# Altium PCB CC-B00-V00.PcbDoc (part 1 of 3)
Units mil, origin at the board's own origin, x right, y up, seen from the top; angles counter-clockwise.
Board outline 4330.71 x 2618.11 mil, 2 copper layers (Top Layer, Bottom Layer), stack 61.8 mil thick; 271 components, 197 nets, 827 pads, 294 vias.
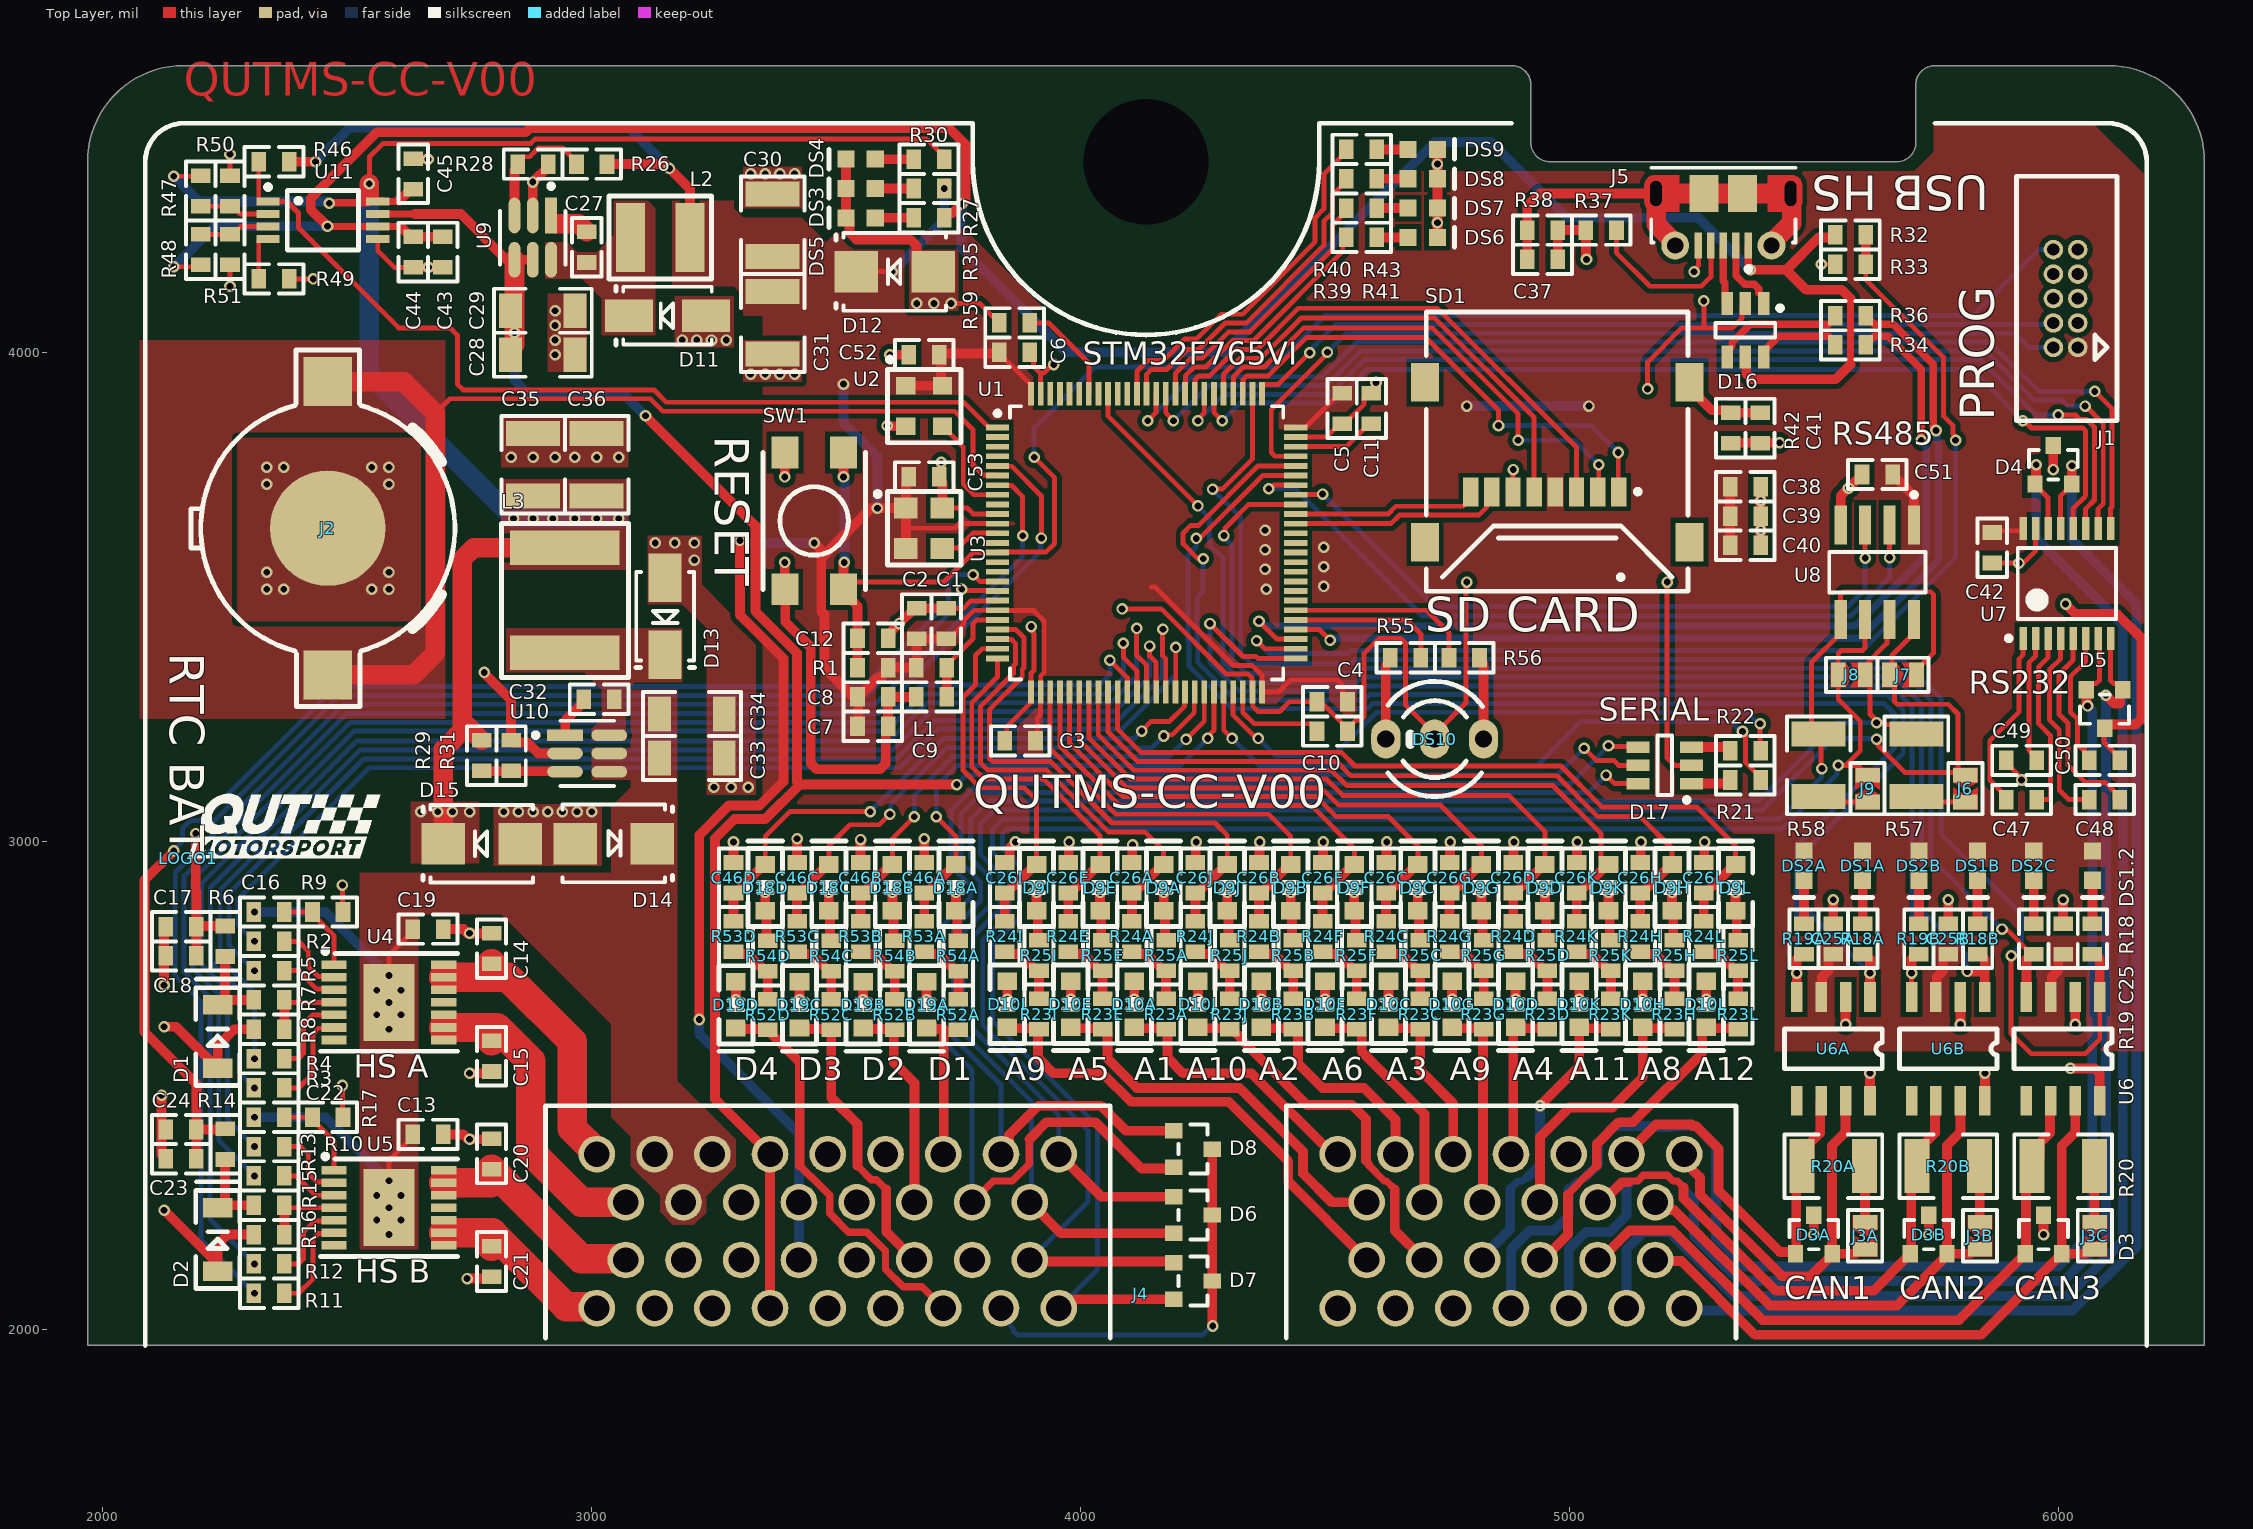
[diagram p0: Top Layer view]
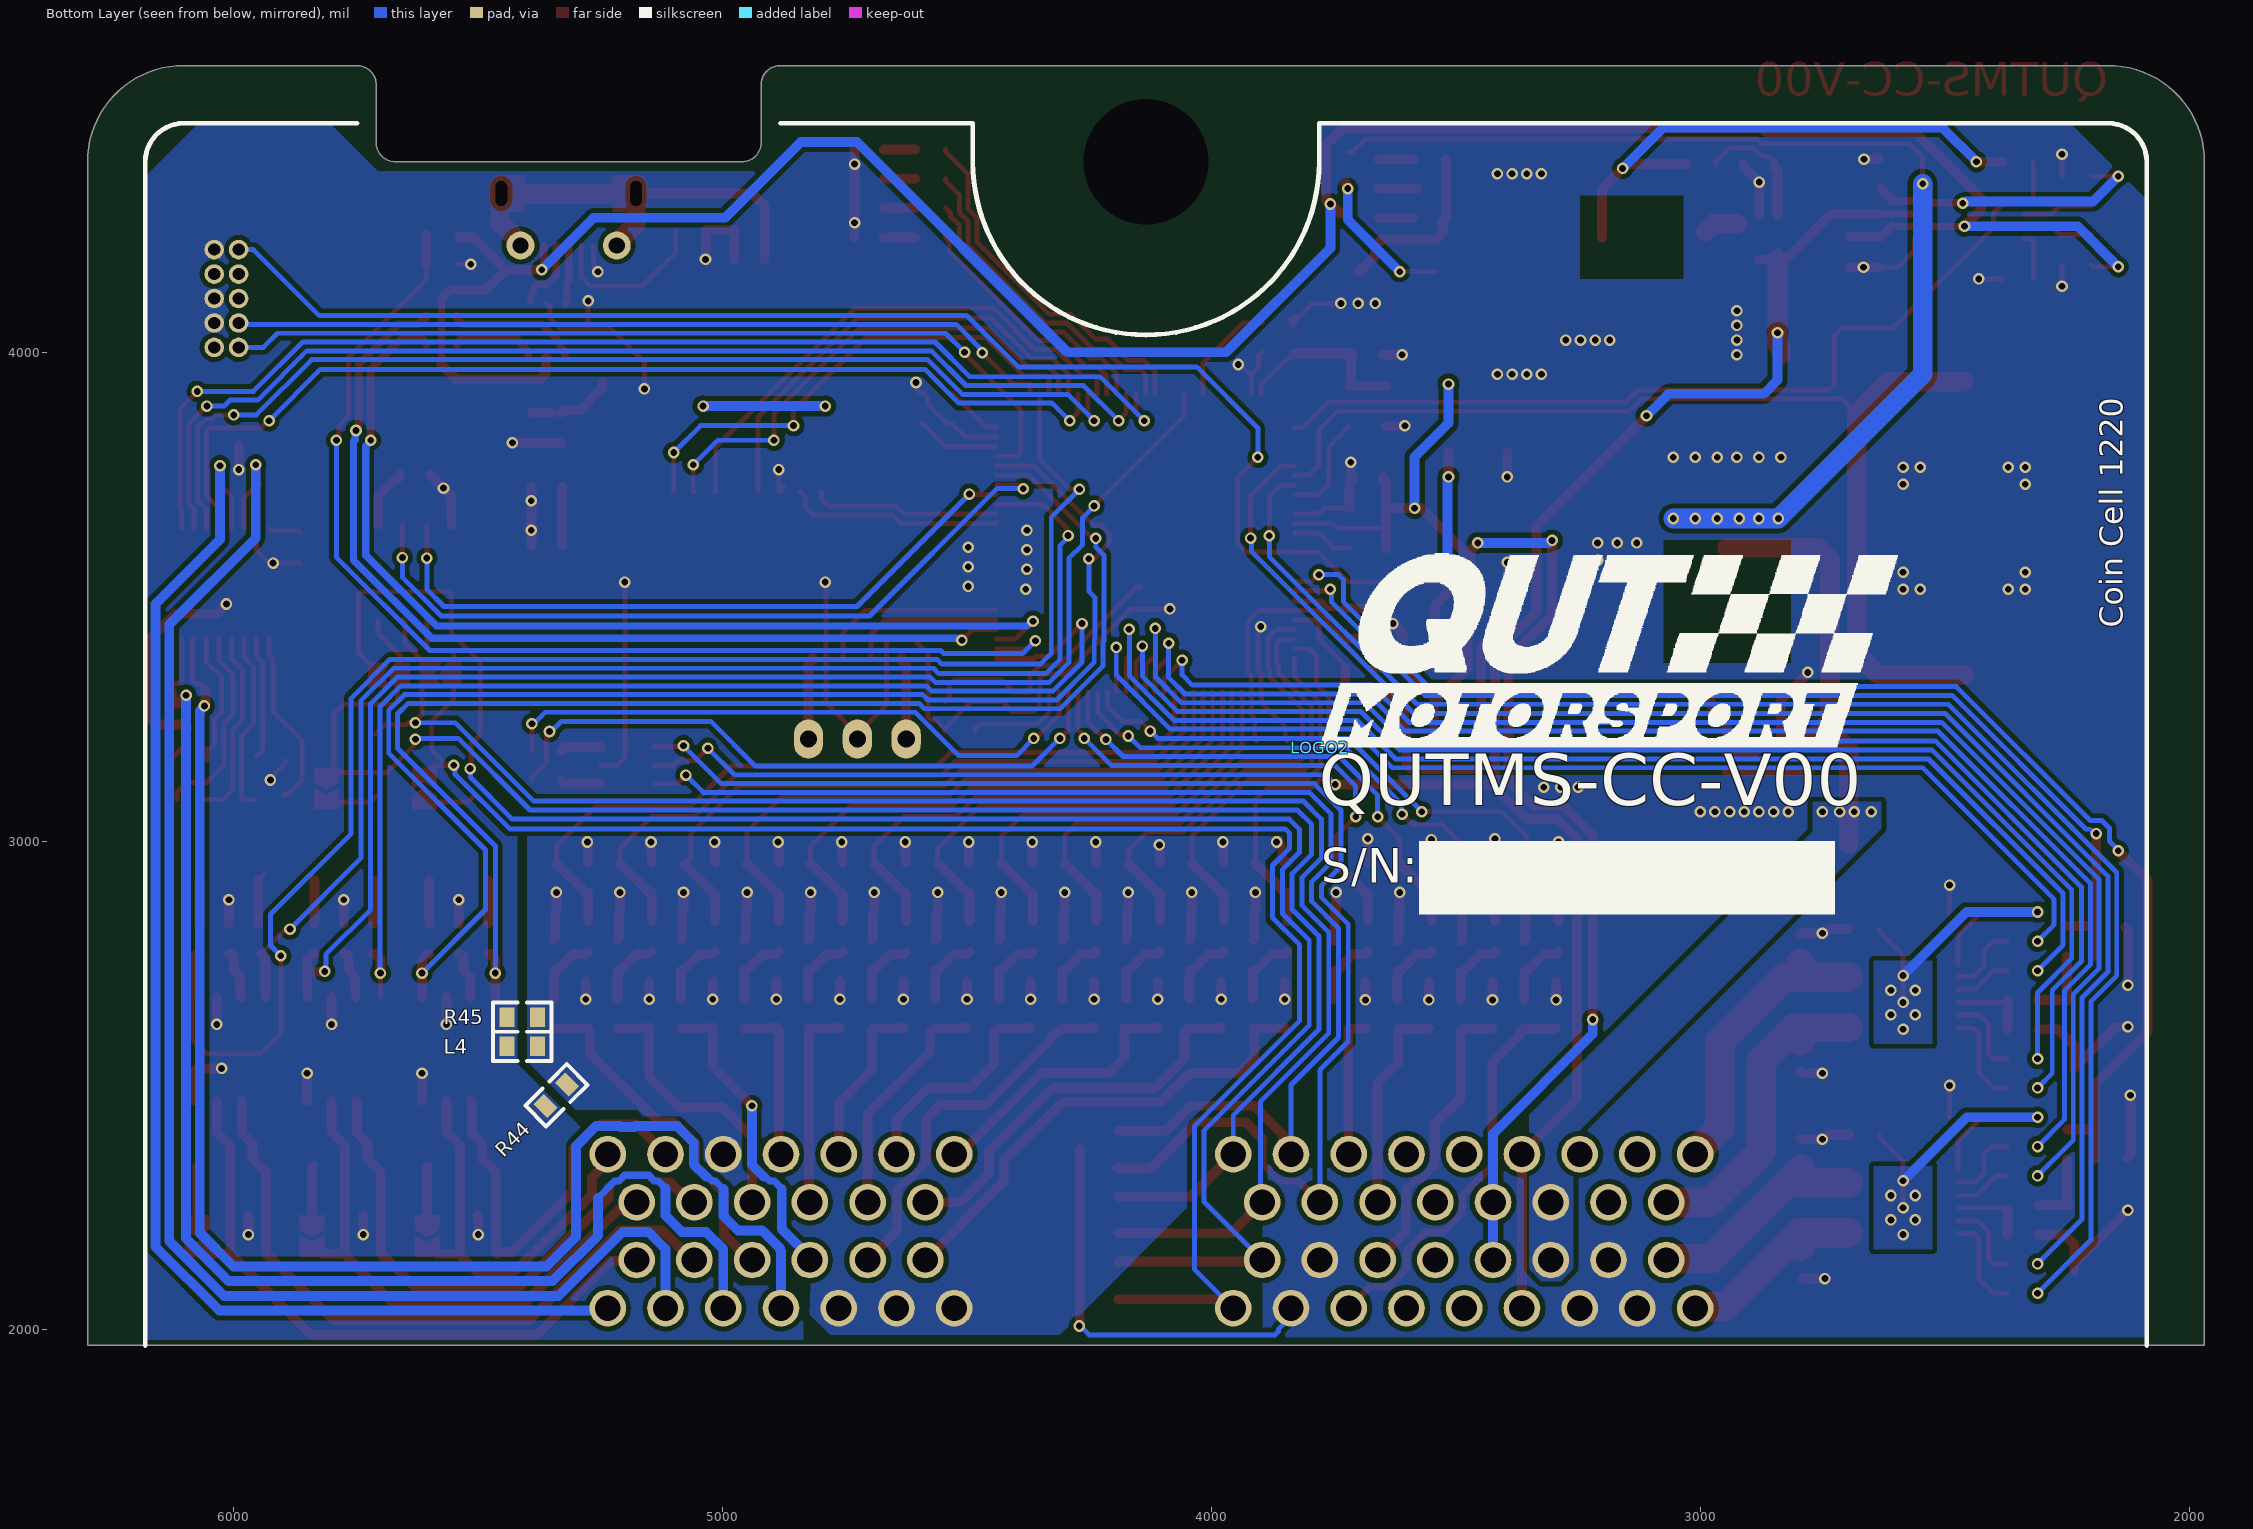
[diagram p1: Bottom Layer view, seen from below]
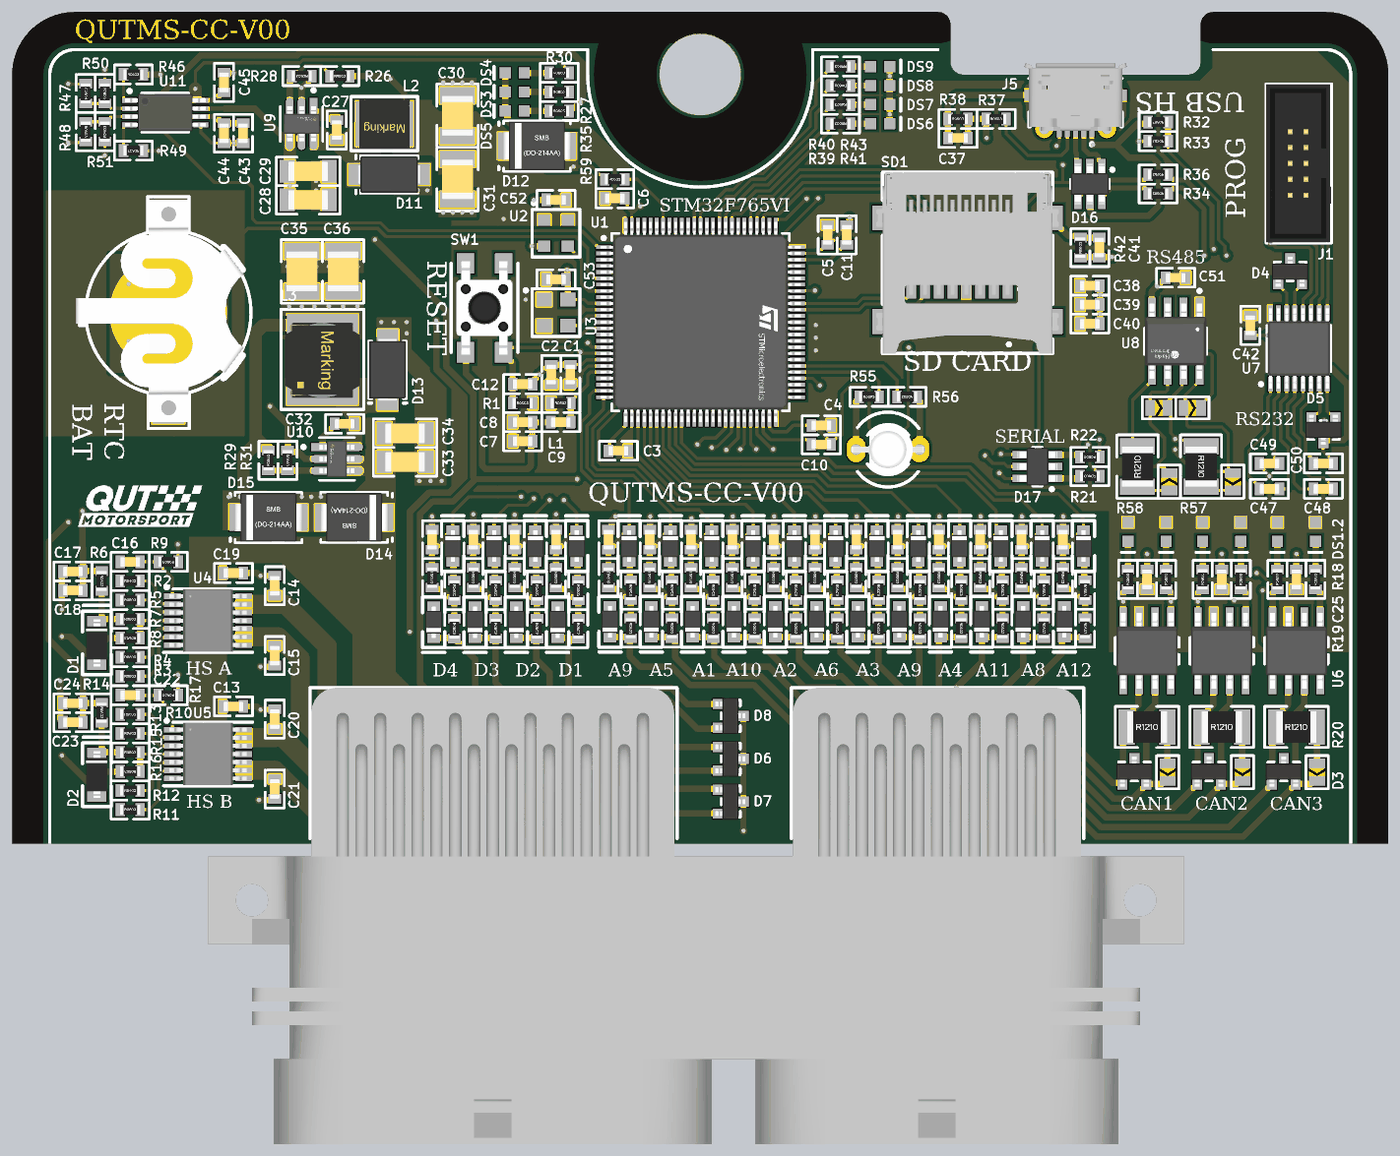
[diagram p4: 3D render of the assembled board from above, using the file's embedded part models]
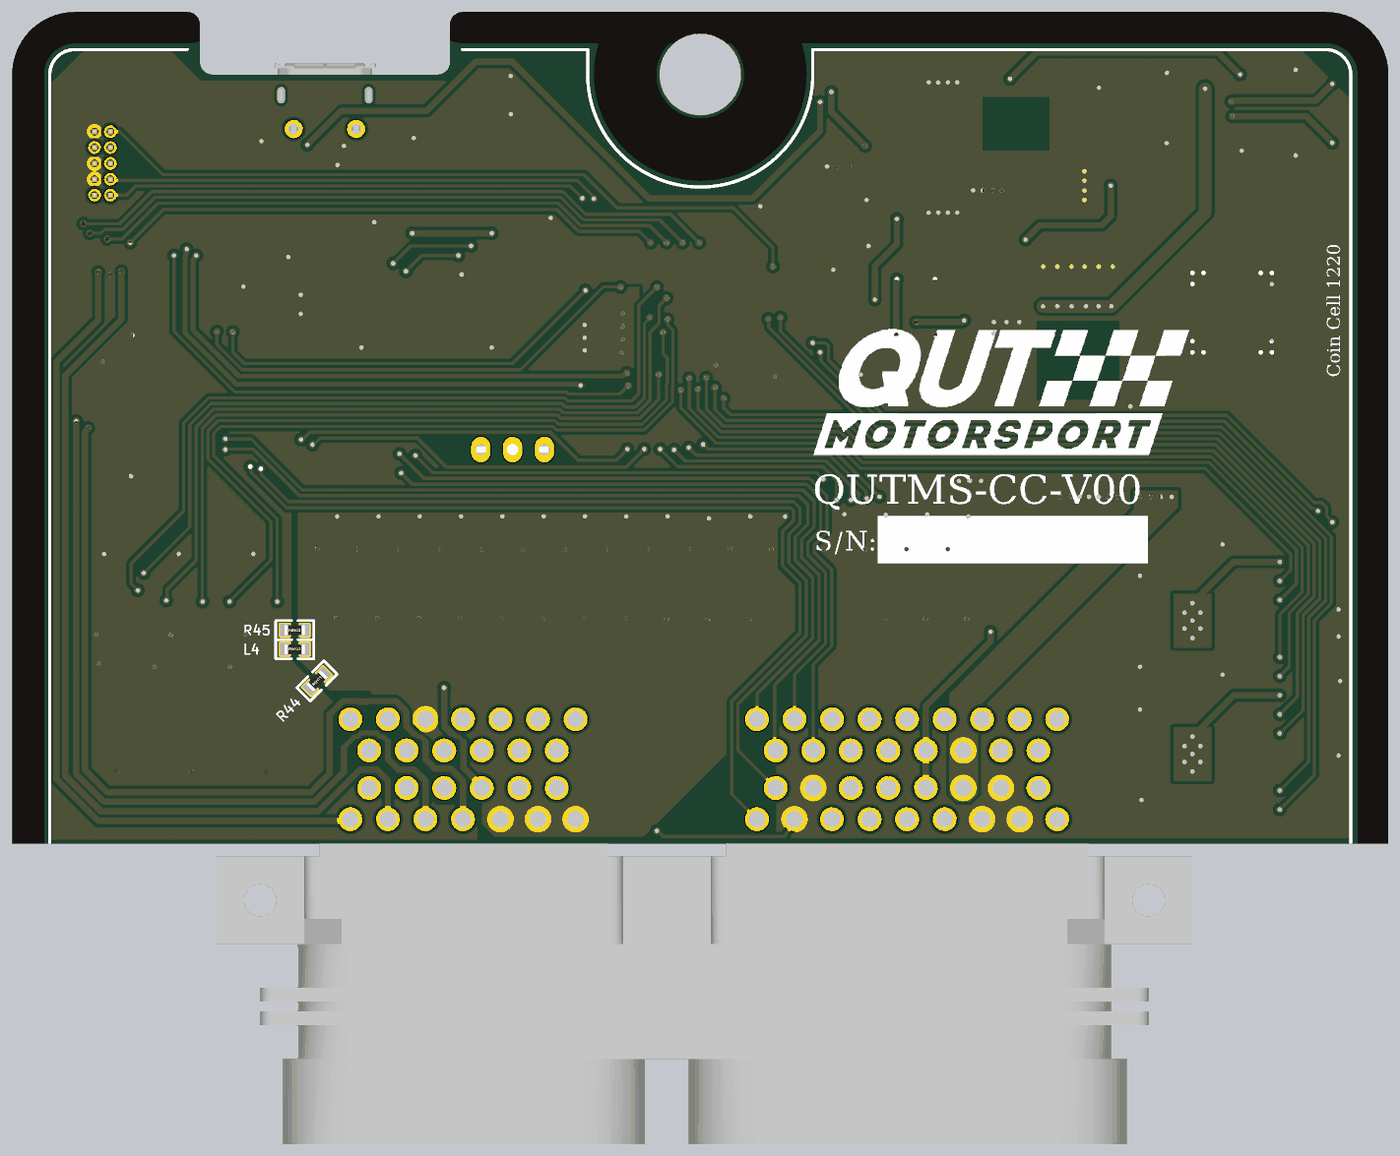
[diagram p5: 3D render of the assembled board from below, using the file's embedded part models]

## Layer stack, top to bottom
Top Solder: solder mask 0.4, Solder Resist, Dk 3.5
Top Layer: signal copper 1.4
Dielectric 1: core 59, Core-043, Dk 4.3
Bottom Layer: signal copper 1.4
Bottom Solder: solder mask 0.4, Solder Resist, Dk 3.5

## Board outline
1968.5,1968.5 1968.5,4389.77 1968.5,4389.76 cw(c2165.35,4389.76) 2165.35,4586.61 4881.89,4586.61 cw(c4881.89,4547.24) 4921.26,4547.24 4921.26,4429.13 ccw(c4960.63,4429.13) 4960.63,4389.76 5669.29,4389.76 ccw(c5669.29,4429.13) 5708.66,4429.13 5708.66,4547.24 cw(c5748.03,4547.24) 5748.03,4586.61 6102.36,4586.61 cw(c6102.36,4389.76) 6299.21,4389.76 6299.21,1968.5

## Design rules (kind name [scope] priority, off if disabled: settings)
Clearance [All] p1: gap=10 ignorepadtopadclearanceinfootprint=TRUE except(0: Arc-Hole Track-Hole SMDPad-Hole THPad-Hole Via-Hole Fill-Hole Poly-Hole Region-Hole Text-Hole; 6: SMDPad-SMDPad; 8: Arc-Arc Arc-Track Arc-SMDPad Track-Track Track-SMDPad)
DiffPairsRouting [All] p1: maxlimit=10 minlimit=10 mostfreqgap=10 toplayer_minwidth=10 toplayer_maxwidth=15 toplayer_prefwidth=15 bottomlayer_minwidth=10 bottomlayer_maxwidth=15 bottomlayer_prefwidth=15 maxuncoupledlength=500
PolygonConnect [All] p1: connectstyle=Direct reliefconductorwidth=10 reliefentries=4 polygonreliefangle="90 Angle" airgapwidth=10
RoomDefinition "CANBUS 1" [InComponentClass('CANBUS 1')] p1: confinementstyle=ConfineIn formatcopy=TRUE lockcomponents=FALSE outline 5420,3015 5420,2120 5655,2120 5655,3015
RoomDefinition "CANBUS 2" [InComponentClass('CANBUS 2')] p2: confinementstyle=ConfineIn formatcopy=TRUE lockcomponents=FALSE outline 5655,3015 5655,2120 5890,2120 5890,3015
RoomDefinition "CANBUS 3" [InComponentClass('CANBUS 3')] p3: confinementstyle=ConfineIn formatcopy=TRUE lockcomponents=FALSE outline 5890,3015 5890,2120 6125,2120 6125,3015
RoomDefinition "Digital In4" [InComponentClass('Digital In4')] p4: confinementstyle=ConfineIn formatcopy=TRUE lockcomponents=FALSE outline 3245,2555 3405,2555 3405,3015 3245,3015
RoomDefinition "Digital In3" [InComponentClass('Digital In3')] p5: confinementstyle=ConfineIn formatcopy=TRUE lockcomponents=FALSE outline 3375,2555 3535,2555 3535,3015 3375,3015
RoomDefinition "Digital In2" [InComponentClass('Digital In2')] p6: confinementstyle=ConfineIn formatcopy=TRUE lockcomponents=FALSE outline 3505,2555 3665,2555 3665,3015 3505,3015
RoomDefinition "Digital In1" [InComponentClass('Digital In1')] p7: confinementstyle=ConfineIn formatcopy=TRUE lockcomponents=FALSE outline 3635,2555 3795,2555 3795,3015 3635,3015
RoomDefinition "Analog In12" [InComponentClass('Analog In12')] p8: confinementstyle=ConfineIn formatcopy=TRUE lockcomponents=FALSE outline 5230,2555 5390,2555 5390,3015 5230,3015
RoomDefinition "Analog In11" [InComponentClass('Analog In11')] p9: confinementstyle=ConfineIn formatcopy=TRUE lockcomponents=FALSE outline 4970,2555 5130,2555 5130,3015 4970,3015
RoomDefinition "Analog In10" [InComponentClass('Analog In10')] p10: confinementstyle=ConfineIn formatcopy=TRUE lockcomponents=FALSE outline 4190,2555 4350,2555 4350,3015 4190,3015
RoomDefinition "Analog In9" [InComponentClass('Analog In9')] p11: confinementstyle=ConfineIn formatcopy=TRUE lockcomponents=FALSE outline 3800,2555 3960,2555 3960,3015 3800,3015
RoomDefinition "Analog In8" [InComponentClass('Analog In8')] p12: confinementstyle=ConfineIn formatcopy=TRUE lockcomponents=FALSE outline 5100,2555 5260,2555 5260,3015 5100,3015
RoomDefinition "Analog In7" [InComponentClass('Analog In7')] p13: confinementstyle=ConfineIn formatcopy=TRUE lockcomponents=FALSE outline 4710,2555 4870,2555 4870,3015 4710,3015
RoomDefinition "Analog In6" [InComponentClass('Analog In6')] p14: confinementstyle=ConfineIn formatcopy=TRUE lockcomponents=FALSE outline 4450,2555 4610,2555 4610,3015 4450,3015
RoomDefinition "Analog In5" [InComponentClass('Analog In5')] p15: confinementstyle=ConfineIn formatcopy=TRUE lockcomponents=FALSE outline 3930,2555 4090,2555 4090,3015 3930,3015
RoomDefinition "Analog In4" [InComponentClass('Analog In4')] p16: confinementstyle=ConfineIn formatcopy=TRUE lockcomponents=FALSE outline 4840,2555 5000,2555 5000,3015 4840,3015
RoomDefinition "Analog In3" [InComponentClass('Analog In3')] p17: confinementstyle=ConfineIn formatcopy=TRUE lockcomponents=FALSE outline 4580,2555 4740,2555 4740,3015 4580,3015
RoomDefinition "Analog In2" [InComponentClass('Analog In2')] p18: confinementstyle=ConfineIn formatcopy=TRUE lockcomponents=FALSE outline 4320,2555 4480,2555 4480,3015 4320,3015
RoomDefinition "Analog In1" [InComponentClass('Analog In1')] p19: confinementstyle=ConfineIn formatcopy=TRUE lockcomponents=FALSE outline 4060,2555 4220,2555 4220,3015 4060,3015
RoutingVias [All] p1: holewidth=13.78 width=23.62 viastyle="Through Hole" minholewidth=13.78 minwidth=23.62 maxholewidth=13.78 maxwidth=23.62
SolderMaskExpansion [All] p1: expansion=4 istentingtop=FALSE
Width [All] p1: maxlimit=40 minlimit=10 preferedwidth=20 minimp=50.000000 maximp=50.000000 favimp=50.000000
29 further rules are at their usual default settings.
